# Altium PCB PCB.PcbDoc (part 3 of 3)
Units mm, origin at the board's own origin, x right, y up, seen from the top; angles counter-clockwise.
Board outline 120 x 70 mm, 4 copper layers (Layer 1, Layer 2, Layer 3, Layer 4), stack 1.282 mm thick; 76 components, 50 nets, 270 pads, 3097 vias.
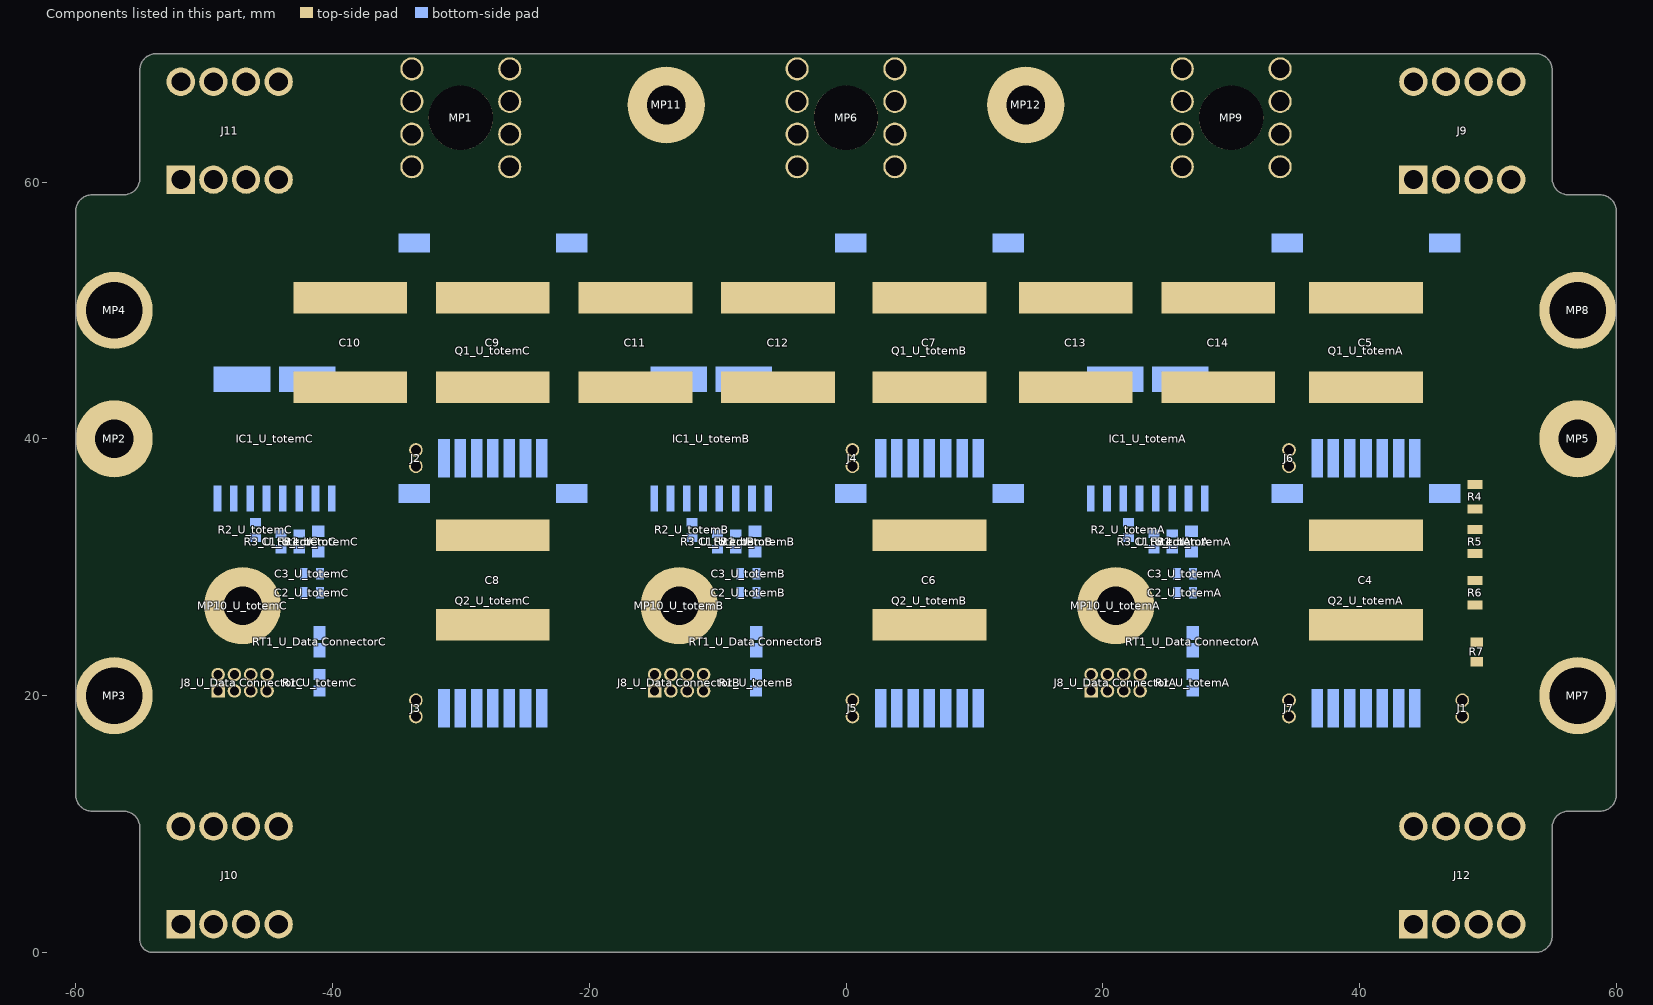
[diagram p5: the components of this part, seen from the top]

## Silkscreen, mask and mechanical layers (free items; w line width, h text height) (continued)
Bottom Solder:
  lines w0.75: -42.5,49 -42,49.5 ; -42.375,47.125 -40,49.5 ; -40.375,47.125 -38,49.5 ; -38.5,47 -36,49.5 ; -38.375,43.125 -36,45.5 ; -38.375,45.125 -36,47.5 ; -36.5,43 -36,43.5 ; -8.5,49 -8,49.5 ; -8.375,47.125 -6,49.5 ; -6.375,47.125 -4,49.5 ; -4.5,47 -2,49.5 ; -4.375,43.125 -2,45.5 ; -4.375,45.125 -2,47.5 ; -2.5,43 -2,43.5 ; 25.5,49 26,49.5 ; 25.625,47.125 28,49.5 ; 27.625,47.125 30,49.5 ; 29.5,47 32,49.5 ; 29.625,43.125 32,45.5 ; 29.625,45.125 32,47.5 ; 31.5,43 32,43.5
Board Outline:
  lines w0.25: 55,60.25 55,68.73 ccw(c53.73,68.73) 53.73,70 48,70 -42.27,70 -52,70 -52.73,70 -53.73,70 ccw(c-53.73,68.73) -55,68.73 -55,60.27 cw(c-56.27,60.27) -56.27,59 -58.73,59 ccw(c-58.73,57.73) -60,57.73 -60,12.27 ccw(c-58.73,12.27) -58.73,11 -56.27,11 cw(c-56.27,9.73) -55,9.73 -55,1 ccw(c-54,1) -54,0 52.73,0 53.73,0 ccw(c53.73,1.27) 55,1.27 55,9.73 cw(c56.27,9.73) 56.27,11 58.73,11 ccw(c58.73,12.27) 60,12.27 60,57.73 ccw(c58.73,57.73) 58.73,59 56.27,59 cw(c56.27,60.27) 55,60.27
Bottom Assembly:
  lines w0.25: 28,61.27 28,62 ; 28,62 28,58.27 cw(c26.73,58.27) 26.73,57 18.27,57 ccw(c18.27,55.73) 17,55.73 17,47 22,47 22,51.73 cw(c23.27,51.73) 23.27,53 29.73,53 ccw(c29.73,54.27) 31,54.27 31,57.5 cw(c31.5,57.5) 31.5,58 ccw(c31.5,58.5) 32,58.5 32,59.27 ; 28,62 32,62 32,59.27 ; 32,59.27 ccw(c32,59.27) 32,59.27 ; -49,47 -49,54.73 cw(c-47.73,54.73) -47.73,56 -41.27,56 ccw(c-41.27,57.27) -40,57.27 -40,58.82 cw(c-38.73,58.82) -38.73,60.09 -33.27,60.09 ccw(c-33.27,61.36) -32,61.36 -32,62 -28,62 -28,59.27 cw(c-29.27,59.27) -29.27,58 -35.73,58 ccw(c-35.73,56.73) -37,56.73 -37,54.27 cw(c-38.27,54.27) -38.27,53 -44.73,53 ccw(c-44.73,51.73) -46,51.73 -46,47 -49,47 ; -17,47 -17,55.73 cw(c-15.73,55.73) -15.73,57 -6.27,57 ccw(c-6.27,58.27) -5,58.27 -5,58.73 cw(c-3.73,58.73) -3.73,60 -3.27,60 ccw(c-3.27,61.27) -2,61.27 -2,62 2,62 2,59.27 cw(c0.73,59.27) 0.73,58 -1.73,58 ccw(c-1.73,56.73) -3,56.73 -3,54.27 cw(c-4.27,54.27) -4.27,53 -10.73,53 ccw(c-10.73,51.73) -12,51.73 -12,47 -17,47

## Text inside footprints (layer, text, board x,y; h text height)
J1: Top Overlay "1" at 46.344,20.27 h1.88 r90
J3: Top Overlay "1" at -31.844,17.73 h1.88 r270
J5: Top Overlay "1" at 2.156,17.73 h1.88 r270
J7: Top Overlay "1" at 36.156,17.73 h1.88 r270